# Altium PCB WunderBar_v102b.PcbDoc (part 2 of 7)
Units mil, origin at the board's own origin, x right, y up, seen from the top; angles counter-clockwise.
Board outline 4556.01 x 1552 mil, 4 copper layers (Top, Route2, Route15, Bottom), stack 52.756 mil thick; 380 components, 258 nets, 1400 pads, 528 vias.
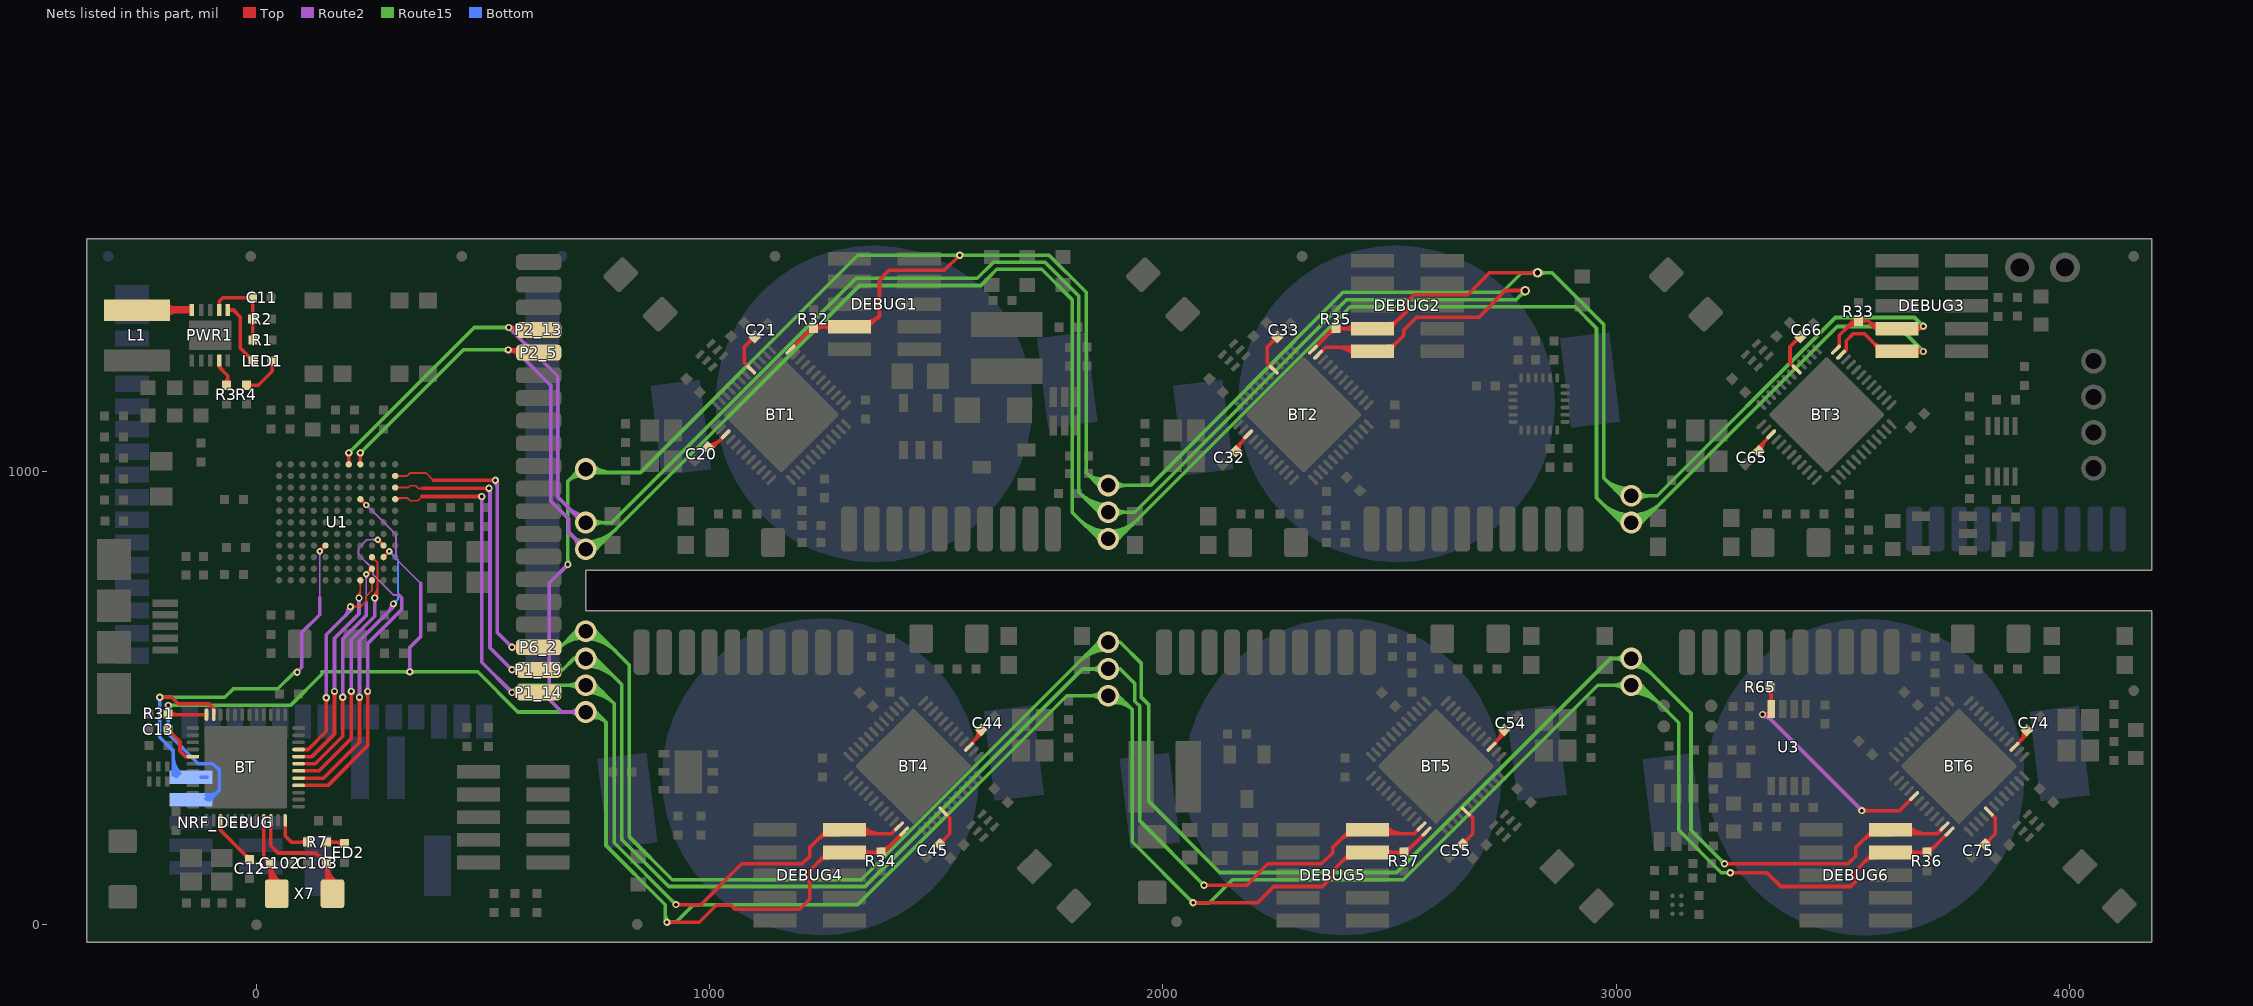
[diagram p4: the nets of this part, all layers, seen from the top]

## Via types
v1: diameter 16, hole 8, Top to Bottom, tented both sides, 282 vias
v2: diameter 24, hole 12, Top to Bottom, tented both sides, 135 vias
v3: diameter 14, hole 6, Top to Bottom, tented both sides, 34 vias
v4: diameter 48/41/41/48 (per signal layer), hole 32, Top to Bottom, 30 vias
v5: diameter 16, hole 8, Top to Route2, tented top, 18 vias
v6: diameter 21/21/21/21 (per signal layer), hole 12, Top to Bottom, tented both sides, 15 vias
v7: diameter 24, hole 12, Top to Route2, tented top, 12 vias
v8: diameter 21/21/21/21 (per signal layer), hole 12, Top to Bottom, 1 vias
v9: diameter 24, hole 8, Top to Bottom, tented both sides, 1 vias

## Nets (pads, with @x,y where several pads share a name; then routed paths per layer and width w, separated by ;. In a path a pad name is that pad's centre, name@x,y a point inside that pad or via, vN(x,y) a via of type N, cw(c..) or ccw(c..) an arc to the next point about the centre after c; other vN are vias at no path point) (continued)
BT2_SWDIO: BT2.23 DEBUG2.2 P2_13.1 U1.A7 | length 5381.5
  Top w8: v1@200.54,1038.35 cw(c193.71,1031.52) 203.36,1031.52 cw(c213.02,1031.52) v1@206.19,1038.35 ; U1.A7@201.24,1018.06 ccw(c196.12,1023.18) 203.36,1023.18 ccw(c210.61,1023.18) U1.A7@205.49,1018.06 ; U1.A7@203.36,1015.94 v1(203.36,1041.18) ; v1@558.48,1314.5 cw(c564.73,1303.68) 567.96,1315.74 ; v1@559.31,1315.13 cw(c564.98,1309.46) 564.98,1317.48 ; v1@559.31,1320.79 ccw(c567.3,1328.78) 567.3,1317.48 ; 569.46,1317.48 ccw(c569.46,1333) P2_13.1@580.43,1322.03 ; P2_13.1@577.65,1306.98 ccw(c561.48,1299.78) 561.48,1317.48 P2_13.1@622.48,1317.48 ; BT2.23@2342.48,1258.48 2359.48,1274.48 2453.48,1274.48 DEBUG2.2@2462.48,1265.48 2466.48,1269.48 2500.48,1269.48 2531.48,1300.48 2531.48,1312.48 2559.48,1340.48 2697.48,1340.48 2755.48,1399.48 v6(2799.48,1399.48) ; 2381.7,1274.48 cw(c2381.7,1217.2) DEBUG2.2@2422.2,1257.7 ; 2401.01,1274.48 cw(c2401.01,1236.51) DEBUG2.2@2427.86,1263.36 ; DEBUG2.2@2494.98,1276.48 ccw(c2494.98,1306.66) 2516.32,1285.32 ; DEBUG2.2@2505.98,1265.48 cw(c2528.92,1265.48) 2512.7,1281.7 ; v6@2794.88,1394.88 ccw(c2783.79,1383.79) 2783.79,1399.48 ccw(c2783.79,1415.17) v6@2794.88,1404.08
  Route2 w8: v1@556.48,1313.96 cw(c556.48,1304.3) 563.31,1311.13 cw(c570.14,1317.96) v1@560.48,1317.96 ; v1(556.48,1317.96) 664.28,1210.16 664.28,943.68 v4@713.48,894.48 ; 688.07,919.89 ccw(c726.48,958.3) v4@726.48,903.98 ; 701.73,906.23 ccw(c726.48,930.99) v4@726.48,895.98 ; 702.56,905.4 cw(c684.63,887.48) v4@709.98,887.48 ; 706,902 v4@720.52,887.48
  Route15 w8: v1(203.36,1041.18) 480.14,1317.96 v1@561.48,1317.96 ; v1@203.36,1045.18 ccw(c203.36,1054.84) 210.19,1048.01 ccw(c217.02,1041.18) v1@207.36,1041.18 ; v1@553.65,1315.13 ccw(c546.82,1308.3) 546.82,1317.96 ccw(c546.82,1327.62) v1@553.65,1320.79 ; v4@720.52,887.48 v4(726.48,887.48) 783.48,887.48 1322.48,1426.48 1590.48,1426.48 1625.48,1461.48 1740.48,1461.48 1814.48,1387.48 1814.48,954.48 v4@1858.48,910.48 ; v4@732.49,881.47 cw(c747,866.96) 747,887.48 cw(c747,908) v4@732.49,893.49 ; v4@738.15,875.81 cw(c766.31,847.65) 766.31,887.48 cw(c766.31,927.31) v4@738.15,899.15 ; 1815.46,953.5 ccw(c1879.48,1017.51) v4@1879.48,926.98 ; 1829.12,939.84 ccw(c1879.48,990.2) v4@1879.48,918.98 ; 1842.78,926.18 ccw(c1879.48,962.89) v4@1879.48,910.98 ; v4@1856.43,912.53 ccw(c1879.48,935.57) v4@1879.48,902.98 ; v4@1863.45,906.58 ccw(c1858.48,905.37) v4@1858.48,910.48 ; v4@1863.45,914.38 cw(c1858.48,915.59) v4@1858.48,910.48 ; v4@1885.49,904.47 cw(c1900,889.96) 1900,910.48 cw(c1900,931) v4@1885.49,916.49 ; v4@1891.15,898.81 cw(c1919.31,870.65) 1919.31,910.48 cw(c1919.31,950.31) v4@1891.15,922.15 ; v6@2792.98,1399.48 cw(c2777.29,1399.48) 2788.38,1388.38 cw(c2799.48,1377.29) v6@2799.48,1392.98 ; v6(2799.48,1399.48) 2779.48,1379.48 2405.48,1379.48 1937.48,910.48 v4(1879.48,910.48) v4@1858.48,910.48
BT3_SWDIO: BT3.23 DEBUG3.2 P2_5.1 U1.A8 | length 7310
  Top w8: v1@226.13,1038.35 cw(c219.31,1031.52) 228.96,1031.52 cw(c238.62,1031.52) v1@231.79,1038.35 ; U1.A8@226.84,1018.05 ccw(c221.72,1023.17) 228.96,1023.17 ccw(c236.21,1023.17) U1.A8@231.08,1018.05 ; U1.A8@228.96,1015.93 v1(228.96,1041.18) ; v1@557.48,1265.02 cw(c562.31,1256.65) 564.81,1265.98 cw(c567.31,1275.31) v1@558.94,1270.48 ; v1@558.31,1265.65 cw(c565.14,1258.82) 565.14,1268.48 cw(c565.14,1278.14) v1@558.31,1271.31 ; 569.64,1268.48 cw(c569.64,1250.23) P2_5.1@585.27,1259.64 ; 571.87,1268.48 ccw(c571.87,1280.59) P2_5.1@580.43,1272.03 ; P2_5.1@578.41,1255.52 ccw(c555.48,1241.71) v1(555.48,1268.48) P2_5.1@622.48,1268.48 ; BT3.23@3496.48,1258.48 3507.48,1269.48 ; 3507.48,1274.56 cw(c3493.79,1274.56) 3503.47,1264.88 ccw(c3502.84,1269.48) 3507.48,1269.48 ; 3567.35,1284.61 ccw(c3586.98,1304.24) DEBUG3.2@3586.98,1276.48 ; 3568.56,1283.4 cw(c3550.63,1265.48) DEBUG3.2@3575.98,1265.48 ; DEBUG3.2@3659.87,1257.82 cw(c3678,1240.21) v1@3678,1265.48 ; DEBUG3.2@3659.87,1273.14 ccw(c3678,1290.75) v1@3678,1265.48 ; 3667.18,1265.48 cw(c3667.18,1254.18) v1@3675.17,1262.17 ; 3667.47,1262.66 cw(c3670.38,1251.8) v1@3676,1261.54 ; 3667.71,1268.24 cw(c3664.8,1257.38) v1@3674.54,1263 ; 3669.5,1265.48 ccw(c3669.5,1273.5) v1@3675.17,1267.83 ; 3669.63,1263.24 ccw(c3667.55,1271.04) v1@3674.54,1267 ; 3669.87,1267.66 ccw(c3671.96,1275.46) v1@3676,1268.46 ; 3507.48,1269.48 3507.48,1288.48 3523.48,1304.48 3547.48,1304.48 3586.48,1265.48 v1@3678,1265.48
  Route2 w8: v1(555.48,1268.48) 570.52,1268.48 649.01,1189.99 649.01,934.95 688.29,895.67 688.29,866.67 v4(726.48,828.48) ; v1@558.31,1265.65 cw(c565.14,1258.82) 565.14,1268.48 cw(c565.14,1278.14) v1@558.31,1271.31 ; v4@709.98,828.48 ccw(c670.15,828.48) 698.31,856.65 ccw(c726.48,884.81) v4@726.48,844.98 ; v4@717.98,828.48 ccw(c697.46,828.48) 711.97,842.99 ccw(c726.48,857.5) v4@726.48,836.98
  Route15 w8: v1(228.96,1041.18) 456.26,1268.48 v1(555.48,1268.48) ; v1@228.96,1045.18 ccw(c228.96,1054.84) 235.79,1048.01 ccw(c242.62,1041.18) v1@232.96,1041.18 ; v1@552.65,1265.65 ccw(c545.82,1258.82) 545.82,1268.48 ccw(c545.82,1278.14) v1@552.65,1271.31 ; v4@726.48,820.98 ccw(c726.48,855.99) 751.23,831.23 ; v4(726.48,828.48) v4@748.48,828.48 ; v4@726.48,828.98 ccw(c726.48,883.3) 764.89,844.89 ; v4@726.48,836.98 ccw(c726.48,910.61) 778.55,858.55 ; v4@726.48,844.98 ccw(c726.48,937.93) 792.2,872.2 ; v4@742.32,823.86 cw(c748.48,822.06) v4@748.48,828.48 ; v4@742.32,833.1 ccw(c748.48,834.9) v4@748.48,828.48 ; 1815.46,894.5 ccw(c1879.48,958.51) 1879.48,867.98 ccw(c1879.48,960.93) 1945.2,895.2 ; 1829.12,880.84 ccw(c1879.48,931.2) 1879.48,859.98 ccw(c1879.48,933.61) 1931.55,881.55 ; 1842.78,867.18 ccw(c1879.48,903.89) 1879.48,851.98 ccw(c1879.48,906.3) 1917.89,867.89 ; v4@1856.43,853.53 ccw(c1879.48,876.57) 1879.48,843.98 ccw(c1879.48,878.99) 1904.23,854.23 ; v4@1863.45,847.58 ccw(c1858.48,846.37) v4@1858.48,851.48 ; v4@1863.45,855.38 cw(c1858.48,856.59) v4@1858.48,851.48 ; v4@1895.32,846.86 cw(c1901.48,845.06) v4@1901.48,851.48 ; v4@1895.32,856.1 ccw(c1901.48,857.9) v4@1901.48,851.48 ; 2967.76,931.2 ccw(c3033.48,996.93) 3033.48,903.98 ccw(c3033.48,996.93) 3099.2,931.2 ; 2981.41,917.55 ccw(c3033.48,969.61) 3033.48,895.98 ccw(c3033.48,969.61) 3085.55,917.55 ; 2995.07,903.89 ccw(c3033.48,942.3) 3033.48,887.98 ccw(c3033.48,942.3) 3071.89,903.89 ; 3008.73,890.23 ccw(c3033.48,914.99) 3033.48,879.98 ccw(c3033.48,914.99) 3058.23,890.23 ; v4@3017.64,882.86 ccw(c3011.48,881.06) v4@3011.48,887.48 ; v4@3017.64,892.1 cw(c3011.48,893.9) v4@3011.48,887.48 ; v4@3049.32,882.86 cw(c3055.48,881.06) v4@3055.48,887.48 ; v4@3049.32,892.1 ccw(c3055.48,893.9) v4@3055.48,887.48 ; v1@3674,1265 ccw(c3664.34,1265) 3671.17,1271.83 ccw(c3678,1278.66) v1@3678,1269 ; v1(3678,1265) 3623,1320 3488,1320 v4@3055.48,887.48 ; v4@748.48,828.48 1330.48,1410.48 1598.48,1410.48 1633.48,1446.48 1732.48,1446.48 1799.48,1379.48 1799.48,910.48 v4@1858.48,851.48 ; v4@1858.48,851.48 v4(1879.48,851.48) v4@1901.48,851.48 ; v4@1901.48,851.48 2413.48,1363.48 2909.48,1363.48 2956.48,1316.48 2956.48,942.48 v4@3011.48,887.48 ; v4@3011.48,887.48 v4(3033.48,887.48) v4@3055.48,887.48
BT4_SWDIO: BT4.23 DEBUG4.2 P1_14.1 U1.D11 | length 2703.4
  Top w4: U1.D11@305.74,939.2 308.34,941.79 332.71,941.79 338.71,935.79 355.79,935.79 365,945 ; U1.D11@306.45,938.49 cw(c314.42,930.52) 314.42,941.79 ; U1.D11@309.28,935.66 cw(c324.08,920.86) 324.08,941.79
  Top w8: 365,945 v1(497,945) ; v1@494.17,942.17 ccw(c487.34,935.34) 487.34,945 ccw(c487.34,954.66) v1@494.17,947.83 ; v1@565.48,509.02 cw(c570.31,500.65) 572.81,509.98 cw(c575.31,519.31) v1@566.94,514.48 ; v1@565.48,515.94 ccw(c570.31,524.31) 572.81,514.98 ccw(c575.31,505.65) v1@566.94,510.48 ; v1@566.31,509.65 cw(c573.14,502.82) 573.14,512.48 cw(c573.14,522.14) v1@566.31,515.31 ; P1_14.1@579.06,504.54 ccw(c563.48,493.22) v1(563.48,512.48) ; P1_14.1@579.06,520.42 cw(c563.48,531.74) v1(563.48,512.48) ; P1_14.1@622.48,512.48 v1(563.48,512.48) ; v1(925.48,44.48) 980.48,44.48 1070.48,134.48 1203.48,134.48 1220.48,150.48 1220.48,170.48 1248.48,198.48 ; v1@928.31,41.65 cw(c935.14,34.82) 935.14,44.48 cw(c935.14,54.14) v1@928.31,47.31 ; 1236.81,186.81 cw(c1264.98,158.65) DEBUG4.2@1264.98,198.48 ; DEBUG4.2@1250.47,200.47 cw(c1264.98,185.96) DEBUG4.2@1264.98,206.48 ; DEBUG4.2@1259.5,199.94 ccw(c1254.95,192.02) 1248.48,198.48 ; DEBUG4.2@1332.1,211.6 ccw(c1358.95,238.45) 1358.95,200.48 ; DEBUG4.2@1337.76,217.26 ccw(c1378.26,257.76) 1378.26,200.48 ; BT4.23@1417.48,217.48 1400.48,200.48 1306.48,200.48 DEBUG4.2@1297.48,209.48 1285.48,198.48 1248.48,198.48 ; DEBUG4.2@1250.09,200.09 ccw(c1240.7,209.48) 1253.98,209.48 cw(c1240.7,209.48) DEBUG4.2@1250.09,200.09
  Route2 w8: v1@494.17,942.17 cw(c487.34,935.34) 497,935.34 cw(c506.66,935.34) v1@499.83,942.17 ; v1(497,945) 497,578.96 v1(563.48,512.48) ; v1@559.48,512.48 ccw(c549.82,512.48) 556.65,519.31 ccw(c563.48,526.14) v1@563.48,516.48
  Route15 w8: v1(563.48,512.48) 579.48,528.48 v4(726.48,528.48) v4@748.48,528.48 ; v1@563.48,516.48 ccw(c563.48,526.14) 570.31,519.31 ccw(c577.14,512.48) v1@567.48,512.48 ; v4@714.81,516.81 ccw(c686.65,488.65) 686.65,528.48 ccw(c686.65,568.31) v4@714.81,540.15 ; v4@720.47,522.47 ccw(c705.96,507.96) 705.96,528.48 ccw(c705.96,549) v4@720.47,534.49 ; v4@726.15,535.97 cw(c727.56,503.67) 750.43,526.53 ; v4@726.5,527.98 cw(c728.64,479.03) 763.28,513.68 ; v4@726.85,519.99 cw(c729.71,454.39) 776.14,500.82 ; v4@727.2,512 cw(c730.79,429.76) 789,487.96 ; v4@742.32,523.86 cw(c748.48,522.06) v4@748.48,528.48 ; v4@742.32,533.1 ccw(c748.48,534.9) v4@748.48,528.48 ; v1@921.48,44.48 ccw(c911.82,44.48) 918.65,51.31 ccw(c925.48,58.14) v1@925.48,48.48 ; v1(925.48,44.48) 789,180.96 789,487.96 ; v4@748.48,528.48 789,487.96
BT5_SWDIO: BT5.23 DEBUG5.2 P1_19.1 U1.C11 | length 4438.2
  Top w4: U1.C11@305.74,964.77 335.28,964.77 339.28,968.77 351.23,968.77 357,963 366,963 ; U1.C11@309.28,961.24 cw(c317.81,952.7) 317.81,964.77 cw(c317.81,976.84) U1.C11@309.28,968.31
  Top w8: 366,963 v1(513,963) ; v1@510.17,960.17 ccw(c503.34,953.34) 503.34,963 ccw(c503.34,972.66) v1@510.17,965.83 ; v1@565.48,559.02 cw(c570.31,550.65) 572.81,559.98 cw(c575.31,569.31) v1@566.94,564.48 ; v1@565.48,565.94 ccw(c570.31,574.31) 572.81,564.98 ccw(c575.31,555.65) v1@566.94,560.48 ; v1@566.31,559.65 cw(c573.14,552.82) 573.14,562.48 cw(c573.14,572.14) v1@566.31,565.31 ; P1_19.1@579.06,554.54 ccw(c563.48,543.22) v1(563.48,562.48) ; P1_19.1@579.06,570.42 cw(c563.48,581.74) v1(563.48,562.48) ; P1_19.1@617.48,562.48 v1(563.48,562.48) ; v1(2090.48,87.48) 2185.48,87.48 2231.48,134.48 2349.48,134.48 2374.48,158.48 2374.48,170.48 2413.48,209.48 2450.48,209.48 2460.48,200.48 2553.48,200.48 BT5.23@2570.48,217.48 ; v1@2093.31,84.65 cw(c2100.14,77.82) 2100.14,87.48 cw(c2100.14,97.14) v1@2093.31,90.31 ; 2390.81,186.81 cw(c2418.98,158.65) DEBUG5.2@2418.98,198.48 ; DEBUG5.2@2404.09,200.09 ccw(c2394.7,209.48) DEBUG5.2@2407.98,209.48 ; DEBUG5.2@2404.47,200.47 cw(c2418.98,185.96) DEBUG5.2@2418.98,206.48 ; DEBUG5.2@2486.1,211.6 ccw(c2512.95,238.45) 2512.95,200.48 ; DEBUG5.2@2491.76,217.26 ccw(c2532.26,257.76) 2532.26,200.48
  Route2 w8: v1@510.17,960.17 cw(c498.51,948.51) 515,948.51 ; v1(513,963) 515,961 515,610.96 v1(563.48,562.48) ; v1@559.48,562.48 ccw(c549.82,562.48) 556.65,569.31 ccw(c563.48,576.14) v1@563.48,566.48
  Route15 w8: v1(563.48,562.48) 675.48,562.48 700.48,587.48 ; v1@566.31,559.65 cw(c573.14,552.82) 573.14,562.48 cw(c573.14,572.14) v1@566.31,565.31 ; v4@711.55,580.46 ccw(c700.48,575.25) 700.48,587.48 ; v4@711.55,594.51 cw(c700.48,599.71) 700.48,587.48 ; v4@726.48,570.98 cw(c726.48,478.03) 792.2,543.76 ; v4@726.48,578.98 cw(c726.48,505.35) 778.55,557.41 ; v4@726.48,586.98 cw(c726.48,532.66) 764.89,571.07 ; v4@726.48,594.98 cw(c726.48,559.97) 751.23,584.73 ; v4@742.32,582.86 cw(c748.48,581.06) v4@748.48,587.48 ; v4@742.32,592.1 ccw(c748.48,593.9) v4@748.48,587.48 ; v4@1867.81,552.81 ccw(c1839.65,524.65) 1839.65,564.48 ccw(c1839.65,604.31) v4@1867.81,576.15 ; v4@1873.47,558.47 ccw(c1858.96,543.96) 1858.96,564.48 ccw(c1858.96,585) v4@1873.47,570.49 ; v4@1894.41,557.46 cw(c1905.48,552.25) 1905.48,564.48 ; v4@1894.41,571.51 ccw(c1905.48,576.71) 1905.48,564.48 ; v1@2086.48,87.48 ccw(c2076.82,87.48) 2083.65,94.31 ccw(c2090.48,101.14) v1@2090.48,91.48 ; v1(2090.48,87.48) 1949.09,228.87 1949.09,481.87 1937.48,493.48 1937.48,532.48 1905.48,564.48 ; 700.48,587.48 v4(726.48,587.48) v4@748.48,587.48 ; v4@748.48,587.48 806,529.96 806,187.96 909.48,84.48 1342.48,84.48 1822.48,564.48 v4(1879.48,564.48) 1905.48,564.48
BT6_SWDIO: BT6.23 DEBUG6.2 P6_2.1 U1.B11 | length 6676.6
  Top w4: U1.B11@305.74,990.35 332.35,990.35 339,997 373.91,997 390,980.91 ; U1.B11@309.28,986.81 cw(c317.81,978.28) 317.81,990.35 cw(c317.81,1002.42) U1.B11@309.28,993.88
  Top w8: 390,980.91 v1@527,980.91 ; 517.11,980.91 ccw(c517.11,990.89) v1@524.17,983.83 ; 517.57,980.91 cw(c517.57,971.57) v1@524.17,978.17 ; v1@565.48,609.02 cw(c570.31,600.65) 572.81,609.98 cw(c575.31,619.31) v1@566.94,614.48 ; v1@565.48,615.94 ccw(c570.31,624.31) 572.81,614.98 ccw(c575.31,605.65) v1@566.94,610.48 ; v1@566.31,609.65 cw(c573.14,602.82) 573.14,612.48 cw(c573.14,622.14) v1@566.31,615.31 ; P6_2.1@579.06,604.54 ccw(c563.48,593.22) v1(563.48,612.48) ; P6_2.1@579.06,620.42 cw(c563.48,631.74) v1(563.48,612.48) ; P6_2.1@622.48,612.48 v1(563.48,612.48) ; v1(3239,134.5) 3511.5,134.5 3528.5,151.5 3528.5,170.5 3556.5,198.5 ; v1@3241.83,131.67 cw(c3248.66,124.84) 3248.66,134.5 cw(c3248.66,144.16) v1@3241.83,137.33 ; 3544.82,186.82 cw(c3572.99,158.66) DEBUG6.2@3572.99,198.49 ; DEBUG6.2@3558.48,200.48 cw(c3572.99,185.97) DEBUG6.2@3572.99,206.49 ; DEBUG6.2@3567.5,199.96 ccw(c3562.95,192.05) 3556.5,198.5 ; DEBUG6.2@3640.11,211.61 ccw(c3666.94,238.44) 3666.94,200.5 ; DEBUG6.2@3645.77,217.27 ccw(c3686.25,257.75) 3686.25,200.5 ; BT6.23@3724.56,217.15 3707.91,200.5 3612.5,200.5 3610.5,198.5 3556.5,198.5 ; DEBUG6.2@3558.1,200.1 ccw(c3548.71,209.49) 3561.99,209.49 cw(c3548.71,209.49) DEBUG6.2@3558.1,200.1
  Route2 w8: v1@524.17,978.17 cw(c507.69,961.69) 531,961.69 ; v1(527,981) 531,977 531,644.96 v1(563.48,612.48) ; v1@559.48,612.48 ccw(c549.82,612.48) 556.65,619.31 ccw(c563.48,626.14) v1@563.48,616.48
  Route15 w8: v1(563.48,612.48) 671.18,613.53 v4@704.48,647.48 ; v1@566.28,615.34 ccw(c573.04,622.23) 573.14,612.57 ccw(c573.23,602.92) v1@566.34,609.68 ; 670.97,613.31 cw(c715.05,570.08) v4@724.07,631.16 ; 681.97,624.53 cw(c717.89,589.3) v4@725.24,639.07 ; 692.97,635.75 cw(c720.73,608.53) v4@726.41,646.99 ; v4@703.98,646.97 cw(c723.57,627.76) v4@727.58,654.9 ; v4@710.64,642.86 ccw(c704.48,641.06) v4@704.48,647.48 ; v4@710.64,652.1 cw(c704.48,653.9) v4@704.48,647.48 ; v4@726.48,630.98 cw(c726.48,538.03) 792.2,603.76 ; v4@726.48,638.98 cw(c726.48,565.35) 778.55,617.41 ; v4@726.48,646.98 cw(c726.48,592.66) 764.89,631.07 ; v4@726.48,654.98 cw(c726.48,619.97) 751.23,644.73 ; v4@742.32,642.86 cw(c748.48,641.06) v4@748.48,647.48 ; v4@742.32,652.1 ccw(c748.48,653.9) v4@748.48,647.48 ; 1815.46,580.46 cw(c1879.48,516.45) v4@1879.48,606.98 ; 1829.12,594.12 cw(c1879.48,543.76) v4@1879.48,614.98 ; 1842.78,607.78 cw(c1879.48,571.07) v4@1879.48,622.98 ; v4@1856.43,621.43 cw(c1879.48,598.39) v4@1879.48,630.98 ; v4@1863.45,619.58 ccw(c1858.48,618.37) v4@1858.48,623.48 ; v4@1863.45,627.38 cw(c1858.48,628.59) v4@1858.48,623.48 ; v4@1894.41,616.46 cw(c1905.48,611.25) 1905.48,623.48 ; v4@1894.41,630.51 ccw(c1905.48,635.71) 1905.48,623.48 ; v4@3021.81,575.81 ccw(c2993.65,547.65) 2993.65,587.48 ccw(c2993.65,627.31) v4@3021.81,599.15 ; v4@3027.47,581.47 ccw(c3012.96,566.96) 3012.96,587.48 ccw(c3012.96,608) v4@3027.47,593.49 ; v4@3033.48,570.98 cw(c3033.48,504.49) 3080.49,551.51 ; v4@3033.48,578.98 cw(c3033.48,531.81) 3066.84,565.16 ; v4@3033.48,586.98 cw(c3033.48,559.12) v4@3053.18,578.82 ; v4@3049.98,587.48 ccw(c3063.16,587.48) v4@3053.84,578.16 ; v1@3235,134.5 ccw(c3225.34,134.5) 3232.17,141.33 ccw(c3239,148.16) v1@3239,138.5 ; v1(3239,134.5) 3165,208.5 3165,467 3044.52,587.48 v4(3033.48,587.48) 2987.48,587.48 2515.48,115.48 2125.48,115.48 1969,271.96 1969,484.96 1952.48,501.48 1952.48,576.48 1905.48,623.48 ; v4@704.48,647.48 v4(726.48,647.48) v4@748.48,647.48 ; v4@748.48,647.48 822,573.96 822,194.96 917.48,99.48 1334.48,99.48 v4@1858.48,623.48 ; v4@1858.48,623.48 v4(1879.48,623.48) 1905.48,623.48
BT_LED: BT.48 R7.1 | length 112.6
  Top w8: BT.48@63.09,230.48 63.09,195.91 76.52,182.48 R7.1@112.81,182.48 ; R7.1@108.57,178.24 ccw(c98.33,167.99) 98.33,182.48 ccw(c98.33,196.97) R7.1@108.57,186.72
BT_LED1: LED2.A R7.2 | length 78.7
  Top w8: R7.2@154.48,182.48 LED2.A@191.48,182.48 ; R7.2@158.72,178.24 cw(c168.97,167.99) 168.97,182.48 cw(c168.97,196.97) R7.2@158.72,186.72 ; 172.69,182.48 cw(c172.69,158.4) LED2.A@189.72,175.43
BT_MCU_GP1: BT.6 U1.J9 | length 707.6
  Top w4: U1.J9@254.55,806.23 cw(c254.55,794.16) 263.08,802.69 cw(c271.62,811.23) U1.J9@259.55,811.23 ; U1.J9@254.55,811.23 267.05,798.73 267.05,727.05 ; v1@256.76,725.24 ccw(c231.92,750.08) 267.05,750.08 ; v1@259.59,722.41 ccw(c241.58,740.42) 267.05,740.42 ; v1(261,721) 267.05,727.05 ; v1@262.41,719.59 ccw(c251.23,730.77) 267.05,730.77 ; v1@263.55,726.43 ccw(c264.86,729.23) 267.05,727.05 ; v1@266.43,723.55 cw(c269.23,724.86) 267.05,727.05
  Top w8: BT.6@92.48,339.48 BT.6@92.62,339.48 137.48,339.48 209,411 v1(209,515) ; v1@206.17,512.17 cw(c199.34,505.34) 209,505.34 cw(c218.66,505.34) v1@211.83,512.17
  Route2 w8: v1@206.17,517.83 ccw(c199.34,524.66) 209,524.66 ccw(c218.66,524.66) v1@211.83,517.83 ; v1(209,515) 209,629 261,681 v1(261,721) ; v1@258.17,718.17 cw(c251.34,711.34) 261,711.34 cw(c270.66,711.34) v1@263.83,718.17
BT_MCU_GP2: BT.8 U1.L8 | length 558.3
  Top w4: v1@221.76,725.24 ccw(c204.36,742.64) 228.96,742.64 ; v1@224.59,722.41 ccw(c214.02,732.98) 228.96,732.98 ; U1.L8@225.43,756.55 cw(c216.89,748.02) 228.96,748.02 cw(c241.03,748.02) U1.L8@232.5,756.55 ; v1(226,721) 228.96,723.96 U1.L8@228.96,760.09
  Top w8: BT.8@92.62,371.1 122.1,371.1 172,421 v1(172,515) ; v1@169.17,512.17 cw(c162.34,505.34) 172,505.34 cw(c181.66,505.34) v1@174.83,512.17
  Route2 w8: v1@169.17,517.83 ccw(c162.34,524.66) 172,524.66 ccw(c181.66,524.66) v1@174.83,517.83 ; v1(172,515) 172,632 226,686 v1(226,721) ; v1@223.17,718.17 cw(c216.34,711.34) 226,711.34 cw(c235.66,711.34) v1@228.83,718.17
BT_SPI_MISO: BT.4 U1.H10 | length 888.9
  Top w4: v3@266.79,844.66 cw(c265.58,833.64) U1.H10@275.19,839.18 ; v3@267.34,844.63 cw(c267.34,832.52) U1.H10@275.9,841.08 ; v3(267.34,849.63) U1.H10@280.14,836.84 ; v3@268.63,844.8 cw(c270.39,838.24) 273.78,844.12 ; v3@272.17,848.34 ccw(c278.65,846.6) 272.84,843.25 ; v3@272.31,850.19 ccw(c283.35,851.43) U1.H10@277.79,841.81 ; v3@272.34,849.63 ccw(c284.37,849.63) U1.H10@275.86,841.12 ; U1.H10@275.14,836.84 ccw(c263.07,836.84) 271.61,845.38 ccw(c280.14,853.91) U1.H10@280.14,841.84